# Altium PCB ESE516_PCB.PcbDoc (part 1 of 2) (continued)
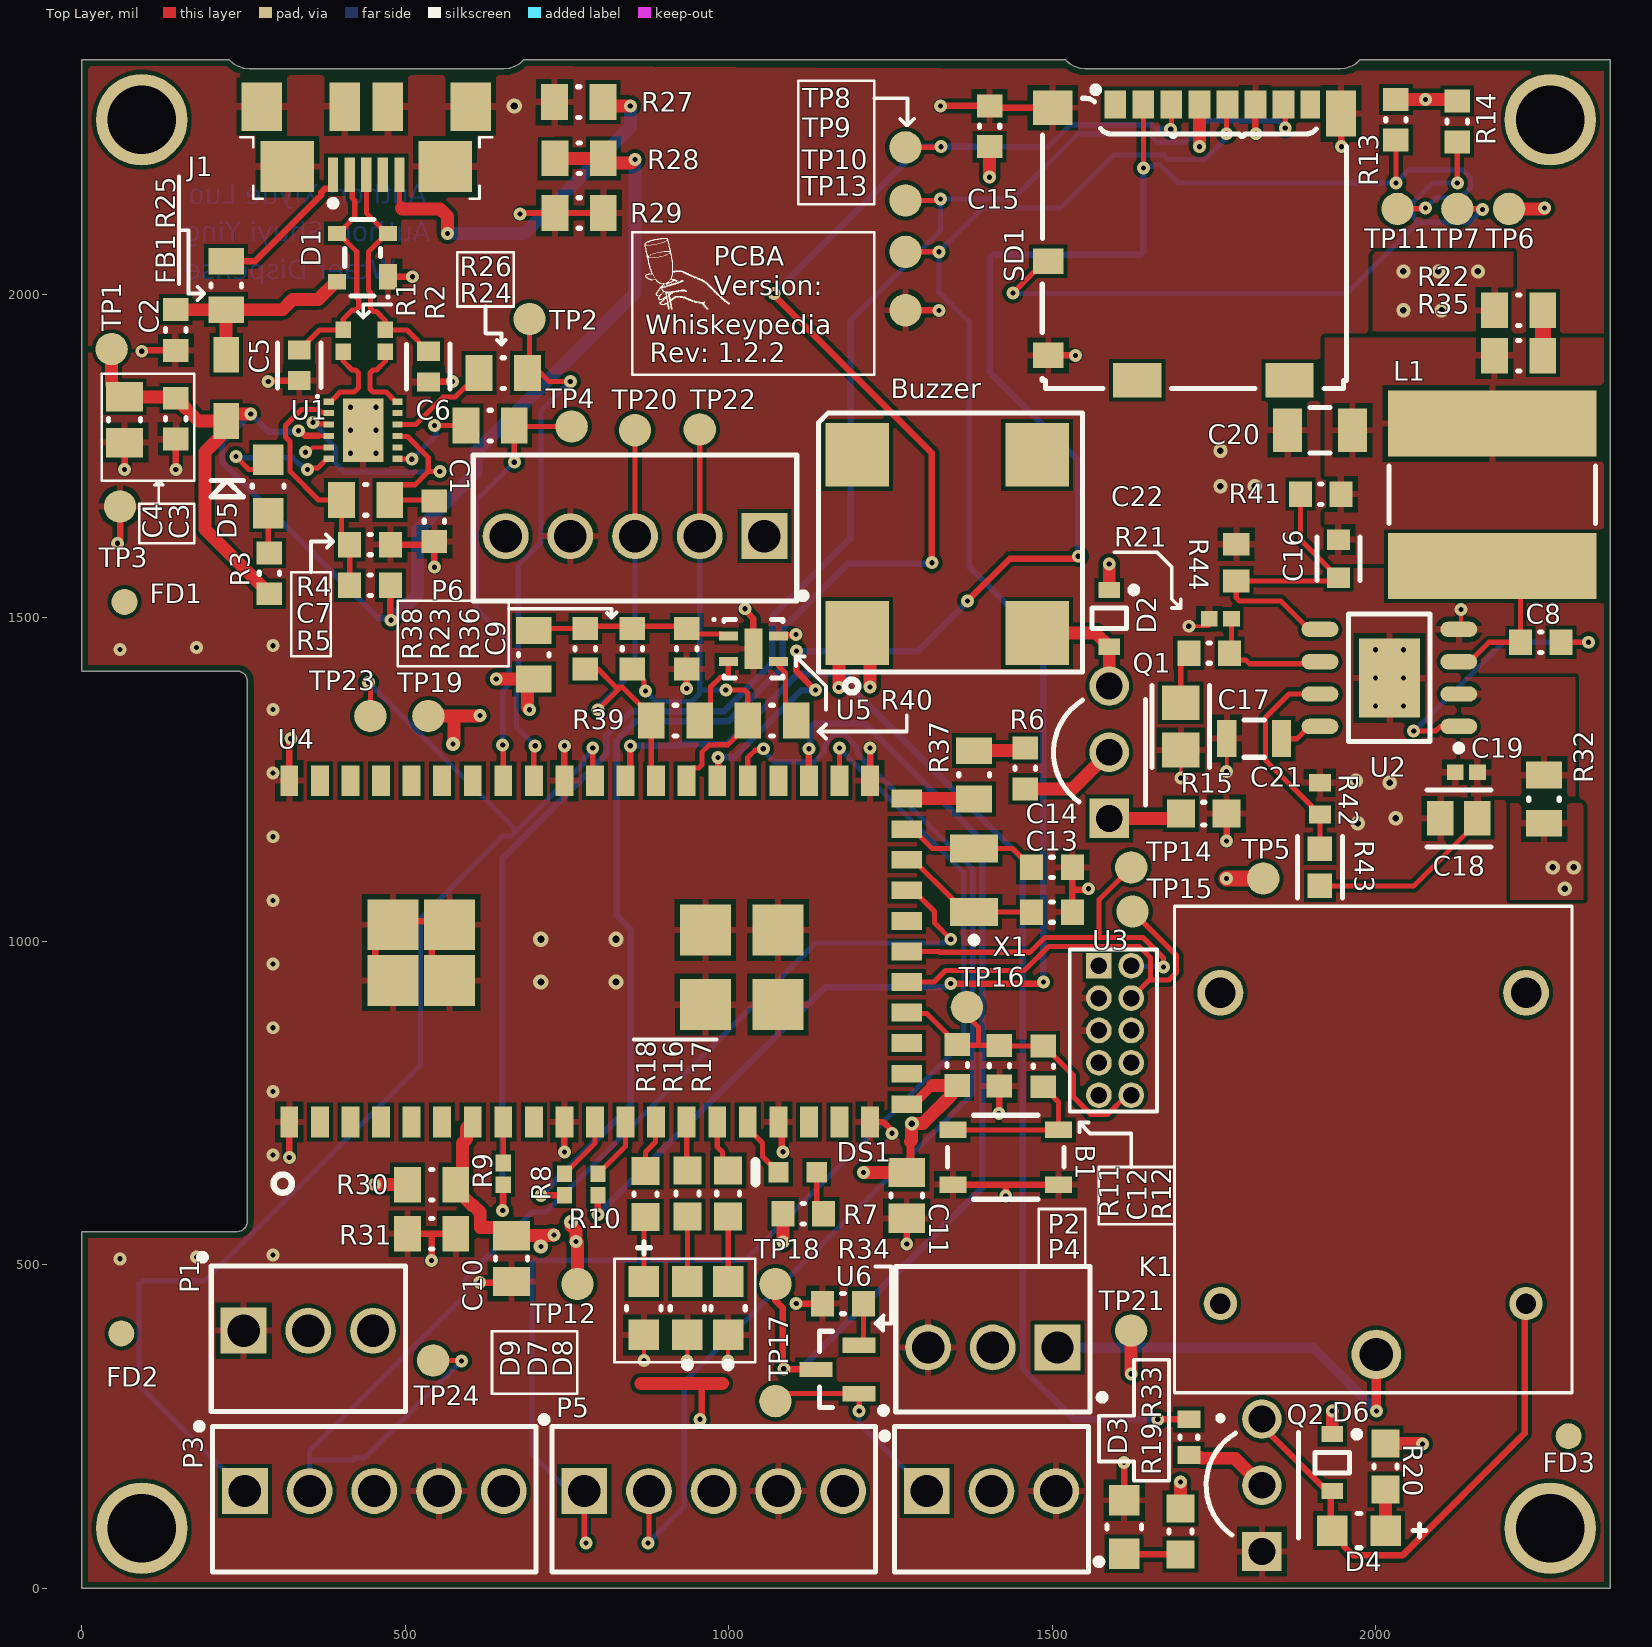
[diagram p0: Top Layer view]
## Components (designator, comment, footprint, x,y, rotation, side; value= is the part's Value field where it differs from the comment)
B1 "PTS810 SJK 250 SMTR LFS" "PTS810 SJK 250 SMTR LFS" 1428,666 r0 top
Buzzer "Buzzer" Buzzer 1337.5,1614 r90 top
C1 "100nF 16V" CAPC0603(1608)100_N 545,1649 r90 top value=100nF
C2 "10nF 16V" CAPC0603(1608)100_N 145,1944.73 r90 top value=10nF
C3 "100nF 16V" CAPC0603(1608)100_N 145.23,1807.63 r90 top value=100nF
C4 "4.7uF 16V" CAPC0805(2012)145_N 66,1806 r90 top value=4.7uF
C5 "47pF" FP-C0603C-CF-MFG 336,1890 r270 top value="47 pF"
C6 "47pF" FP-C0603C-CF-MFG 535.48,1888.18 r270 top value="47 pF"
C7 "100nF 16V" CAPC0603(1608)100_N 445.5,1613 r180 top value=100nF
C8 "100nF 16V" CAPC0603(1608)100_N 2255,1462 r0 top value=100nF
C9 "100nF 16V" CAPC0603(1608)100_N 934.82,1452 r90 top value=100nF
C10 "10uF 16V" CAPC0805(2012)145_N 664,509.43 r90 top value=10uF
C11 "CAP 10uF 16V 0805(2012)" CAPC0805(2012)145_N 1275.02,606.94 r90 top value=10uF
C12 "1uF 16V" CAPC0603(1608)100_N 1418.25,807.54 r90 top value=1uF
C13 "18pF 16V" CAPC0603(1608)100_N 1499.5,1045 r180 top value=18pF
C14 "18pF 16V" CAPC0603(1608)100_N 1499.5,1114 r180 top value=18pF
C15 "CAP 100nF 16V 0603(1608)" CAPC0603(1608)100_N 1403,2259.5 r270 top value=100nF
C16 "390pF" FP-CC0603-DA-MFG 1942.28,1591.17 r270 top value="390 pF"
C17 "18nF" FP-GRM21B-0_1-IPC_A 1698.57,1332 r270 top
C18 "22uF" FP-GRM21B-0_2-e0_2_0_7-IPC_C 2128.28,1189.64 r180 top
C19 "100nF" CAPC1005X55X25NL05T10 2140,1261 r0 top
C20 "47uF" FP-GRM31C-0_2-e0_3_0_8-IPC_C 1913.72,1789.71 r180 top
C21 "5.6nF" FP-CGA4J-IPC_B 1812,1313 r180 top
C22 "1pF" CAPC1005X55X25NL05T10 1759.78,1498.5 r0 top
D1 "PRTR5V0U2X,215" NXP-SOT143B-4_V 433.88,2056.53 r180 top
D2 "BAS16HT1G" ONSC-SOD-323-2-477-02_V 1588,1499 r270 top
D3 "LTST-C170GKT" FP-LTST-C170GKT-MFG 1611,94.52 r270 top
D4 "LTST-C170CKT" FP-LTST-C170CKT-MFG 1974,89 r0 top
D5 "LTST-C170CKT" LTST-C170CKT_V 288,1703 r90 top
D6 "BAS16HT1G" ONSC-SOD-323-2-477-02_V 1932.66,194 r270 top
D7 "LTST-C170GKT" FP-LTST-C170GKT-MFG 936,432.66 r90 top
D8 "LTST-C170GKT" FP-LTST-C170GKT-MFG 998.85,432.66 r90 top
D9 "LTST-C170CKT" FP-LTST-C170CKT-MFG 868.72,432.66 r90 top
DS1 "LTST-C191KGKT" LITE-ON-LTST-C191KRKT-2_V 1106.31,642.67 r180 top
FB1 "BLM21PG221SN1D" MURA-BLM21-B20-CHIP-2_V2 223,1855.26 r270 top
FD1 "40x100mm" Fiducial_FT#1 66,1472.38 r0 top
FD2 "40x100mm" Fiducial_FT#2 61,477 r0 top
FD3 "40x100mm" Fiducial_FT#3 2298,235 r0 top
J1 "ZX62R-B-5P" HIRO-ZX62R-B-5P_V 439.58,2237.34 r180 top
K1 "SRD-12VDC-SL-C" RELAY_SRD-12VDC-SL-C 1996,680 r90 top
L1 "3.3uH" FP-SRN8040-MFG 2180,1690 r90 top
P1 "640456-3" TECO-640456-3 350,398 r180 top
P2 "640456-3" TECO-640456-3 1408,372 r0 top
P3 "640456-5" TECO-640456-5 452,150.1 r180 top
P4 "640456-3" TECO-640456-3 1406,150.1 r180 top
P5 "640456-5" TECO-640456-5 976.56,150.1 r180 top
P6 "640456-5" TECO-640456-5 855,1626 r0 top
Q1 "PN2222ATF" FAIR-TO-92-3 1588,1292 r90 top
Q2 "PN2222ATF" FAIR-TO-92-3 1824,159 r90 top
R1 "27R 1%" RESC1005X40X25NL10T10 404,1928 r270 top
R2 "27R 1%" RESC1005X40X25NL10T10 469,1928 r270 top
R3 "1K 1%" RESC0603(1608)_N 290,1568.5 r270 top value="1000.00 Ohm"
R4 "Jumper" RESC0805(2012)_N 438.6,1682 r180 top value="0.00 Ohm"
R5 "1K 1%" RESC0603(1608)_N 445.5,1550 r180 top value="1000.00 Ohm"
R6 "182R 1% 0603(1608)" RESC0603(1608)_N 1458,1267 r270 top value="182.00 Ohm"
R7 "1K 1%" RESC0603(1608)_N 1115.09,578.5 r0 top value="1000.00 Ohm"
R8 "27R 1%" RESC1005X40X25NL10T10 745.85,623.68 r270 top
R9 "27R 1%" RESC1005X40X25NL10T10 651.36,640.41 r270 top
R10 "27R 1%" RESC1005X40X25NL10T10 797.68,623.68 r270 top
R11 "10K 1%" RESC0603(1608)_N 1353.25,808.5 r270 top value="10000.00 Ohm"
R12 "100R 1%" RESC0603(1608)_N 1486.25,806.5 r90 top value="100.00 Ohm"
R13 "10K 1% 0603(1608)" RESC0603(1608)_N 2031.19,2269.69 r90 top value="10000.00 Ohm"
R14 "10K 1% 0603(1608)" RESC0603(1608)_N 2126,2267 r90 top value="10000.00 Ohm"
R15 "47R 1% 0603(1608)" RESC0603(1608)_M 1734,1197 r180 top value="47.00 Ohm"
R16 "280R 1% 0603(1608)" RESC0603(1608)_M 936,610 r270 top value="280.00 Ohm"
R17 "280R 1% 0603(1608)" RESC0603(1608)_M 999,610 r270 top value="280.00 Ohm"
R18 "280R 1% 0603(1608)" RESC0603(1608)_M 871,609 r270 top value="280.00 Ohm"
R19 "620R 5% 0603(1608)" RESC0603(1608)_M 1698,87.52 r90 top value="620.00 Ohm"
R20 "620R 5% 0603(1608)" RESC0603(1608)_M 2015,188 r90 top value="620.00 Ohm"
R21 "10K 1%" RESC0603(1608)_N 1742.46,1445.28 r0 top value="10000.00 Ohm"
R22 "Jumper" RESC0805(2012)_N 2220.82,1975.21 r180 top value="0.00 Ohm"
R23 "10K 1%" RESC0603(1608)_N 778,1452 r90 top value="10000.00 Ohm"
R24 "Jumper" RESC0805(2012)_N 631,1797 r0 top value="0.00 Ohm"
R25 "Jumper" RESC0805(2012)_N 223,2013.4 r270 top value="0.00 Ohm"
R26 "Jumper" RESC0805(2012)_N 651.36,1878.1 r0 top value="0.00 Ohm"
R27 "Jumper" RESC0805(2012)_N 768,2297 r180 top value="0.00 Ohm"
R28 "Jumper" RESC0805(2012)_N 768.6,2210 r180 top value="0.00 Ohm"
R29 "Jumper" RESC0805(2012)_N 768.6,2125.5 r180 top value="0.00 Ohm"
R30 "Jumper" RESC0805(2012)_N 540.57,623.68 r0 top value="0.00 Ohm"
R31 "Jumper" RESC0805(2012)_N 540.57,548 r0 top value="0.00 Ohm"
R32 "Jumper" RESC0805(2012)_N 2260,1219.6 r90 top value="0.00 Ohm"
R33 "1K1 5% 0603(1608)" RESC0603(1608)_L 1711,233.36 r270 top value="1100.00 Ohm"
R34 "3K3 5% 0603(1608)" RESC0603(1608)_N 1176.56,439.84 r0 top value="3300.00 Ohm"
R35 "Jumper" RESC0805(2012)_N 2220.82,1905 r0 top value="0.00 Ohm"
R36 "10K 1%" RESC0603(1608)_N 851,1452 r90 top value="10000.00 Ohm"
R37 "Jumper" RESC0805(2012)_N 1379,1257 r90 top value="0.00 Ohm"
R38 "Jumper" RESC0805(2012)_N 698.6,1442.8 r270 top value="0.00 Ohm"
R39 "Jumper" RESC0805(2012)_N 917.6,1341 r180 top value="0.00 Ohm"
R40 "Jumper" RESC0805(2012)_N 1066.71,1341 r180 top value="0.00 Ohm"
R41 "10K 1%" RESC0603(1608)_N 1915,1691 r0 top value="10000.00 Ohm"
R42 "18.7kohm" RESC1608X55X30LL15T15 1913.72,1220.31 r270 top
R43 "51.5kohm" FP-CRCW0603-HPe3-IPC_B 1913.72,1114 r270 top
R44 "3.24kohm" RESC1608X55X30ML15T15 1784.42,1585 r270 top
SD1 "104031-0811" MOLX-104031-0811_V 1720,2080 r180 top locked
TP1 "0.1\" Pad" PCBComponent#1 46,1915 r90 top
TP2 "0.1\" Pad" PCBComponent#1 692,1961.5 r90 top
TP3 "0.1\" Pad" PCBComponent#1 59,1672 r90 top
TP4 "0.1\" Pad" PCBComponent#1 757,1795.41 r90 top
TP5 "0.1\" Pad" PCBComponent#1 1826,1097 r90 top
TP6 "0.1\" Pad" PCBComponent#1 2206,2132 r90 top
TP7 "0.1\" Pad" PCBComponent#1 2126,2132 r90 top
TP8 "0.1\" Pad" PCBComponent#1 1273,2227 r90 top
TP9 "0.1\" Pad" PCBComponent#1 1273,2145 r90 top
TP10 "0.1\" Pad" PCBComponent#1 1273,2065.53 r90 top
TP11 "0.1\" Pad" PCBComponent#1 2033.48,2132 r90 top
TP12 "0.1\" Pad" PCBComponent#1 766,470 r90 top
TP13 "0.1\" Pad" PCBComponent#1 1273,1975.21 r90 top
TP14 "0.1\" Pad" PCBComponent#1 1622,1114 r90 top
TP15 "0.1\" Pad" PCBComponent#1 1624,1045.77 r90 top
TP16 "0.1\" Pad" PCBComponent#2 1363.25,889.61 r90 top
TP17 "0.1\" Pad" PCBComponent#1 1072,289 r90 top
TP18 "0.1\" Pad" PCBComponent#1 1072,470 r90 top
TP19 "0.1\" Pad" PCBComponent#1 535.48,1347.89 r90 top
TP20 "0.1\" Pad" PCBComponent#1 855,1789.71 r90 top
TP21 "0.1\" Pad" PCBComponent#1 1621.91,397.99 r90 top
TP22 "0.1\" Pad" PCBComponent#1 955,1791 r90 top
TP23 "0.1\" Pad" PCBComponent#1 445.91,1347.89 r90 top
TP24 "0.1\" Pad" PCBComponent#1 543,352 r90 top
U1 "FT234XD-R" DFN-12_V 434.85,1789.71 r0 top
U2 "Voltage Regulator" TPS5432DDAR 2021,1407 r180 top
U3 "20021111-00010T4LF" 20021111-00010T4LF 1622,862 r270 top
U4 "SAMW25H18-MR510PB" SAMW25H18-MR510PB 797.83,984.25 r180 top locked
U5 "I2C Temperature Sensor" SHTC3 1038,1452 r0 top
U6 "MAX5491LA01000-T" MAXM-U3-2_L 1168,338 r180 top
X1 "ABS07-32.768KHz-T" ABRA-ABS07-2_V 1379,1094.21 r90 top

## Footprints (in the part's own frame and the unit in brackets; to place one, negate y for a bottom-side part, rotate by r counter-clockwise, add the part's x,y. Pads: shape width x height; smd on the part's side, far side on the other; paste and mask are expansions set on the pad)
20021111-00010T4LF [mil] "CONN HEADER 10POS UNSHD VERT T/H"
  rect 39.6x39.6 hole 25.6: 1(-100,-50)
  round 39.6 hole 25.6: 2(-100,0) 3(-50,-50) 4(-50,0) 5(0,-50) 6(0,0) 7(50,-50) 8(50,0) 9(100,-50) 10(100,0)
  silkscreen extent -125,-95 125,40, body extent -125,-92 125,42, height 217
ABRA-ABS07-2_V [mm] "Hand Drawn, 2-Leads, Body 3.2x1.5mm, Pitch 2.5mm"
  rect 1.1x1.9 smd: 1(-1.25,0) 2(1.25,0)
  silkscreen extent -2.47,-0.13 -2.23,0.12, body extent -1.6,-0.75 1.6,0.75, height 0.9
Buzzer [mm]
  rect 2.5x2.5 smd: 1(-3.5,3.532) 2(-3.5,-3.532) 3(3.5,3.532) 4(3.5,-3.532)
  silkscreen extent -5.83,-5.31 5.15,5.05, body extent -4.28,-4.28 4.25,4.25, height 4.01
CAPC0603(1608)100_N [mm] "Chip Capacitor, Body 1.6x0.8mm, Height 1.0mm, IPC Medium Density"
  rect 0.9x1 smd: 1(-0.8,0) 2(0.8,0)
  silkscreen extent -0.05,-0.4 0.05,0.4, body extent -0.87,-0.48 0.88,0.47, height 1
CAPC0805(2012)145_N [mm] "Chip Capacitor, Body 2.0x1.2mm, Height 1.45mm, IPC Medium Density"
  rect 1.15x1.45 smd: 1(-0.9,0) 2(0.9,0)
  silkscreen extent -0.05,-0.62 0.05,0.63, body extent -1.1,-0.72 1.1,0.73, height 1.45
CAPC1005X55X25NL05T10 [mm] "Chip Capacitor, 2-Leads, Body 1.00x0.50mm, IPC Medium Density"
  rect 0.66x0.62 smd: 1(-0.44,0) 2(0.44,0)
  body extent -0.53,-0.28 0.53,0.27, height 0.55
DFN-12_V [mm] "SON, 12-Leads, Body 3x3mm, Pitch 0.45mm, Thermal Pad 2.5x1.6mm"
  rect 0.4x0.25 smd: 1(-1.35,1.125) 2(-1.35,0.675) 3(-1.35,0.225) 4(-1.35,-0.225) 5(-1.35,-0.675) 6(-1.35,-1.125) 7(1.35,-1.125) 8(1.35,-0.675) 9(1.35,-0.225) 10(1.35,0.225) 11(1.35,0.675) 12(1.35,1.125)
  rect 1.6x2.5 smd mask+0.102: 13(0,0)
  silkscreen extent -1.85,1.28 -1.75,1.38, body extent -1.5,-1.5 1.5,1.5, height 0.9
FAIR-TO-92-3 [mm] "TO, 3-Leads, Body Dia 4.79mm, Pitch 2.6mm"
  rect 1.55x1.55 hole 1.05: 1(-2.6,0)
  round 1.55 hole 1.05: 2(0,0) 3(2.6,0)
  silkscreen extent -2.07,-1.43 2.07,2.19, body extent -2.4,-1.47 2.4,2.2, height 8.49
Fiducial_FT#1 [mil]
  round 40 smd paste-30 mask+30: ""(0,51.94)
Fiducial_FT#2 [mil]
  round 40 smd paste-30 mask+30: ""(0,-83.3)
Fiducial_FT#3 [mil]
  round 40 smd paste-30 mask+30: ""(0,0)
FP-C0603C-CF-MFG [mm]
  rect 0.75x0.9 smd paste+0 mask+0: 1(-0.6,0) 2(0.6,0)
  silkscreen extent -0.87,-0.85 0.88,0.85, body extent -1.2,-0.6 1.2,0.6, height 0.25
FP-CC0603-DA-MFG [mm]
  rect 0.8x0.9 smd paste+0 mask+0: 1(-0.75,0) 2(0.75,0)
  silkscreen extent -0.85,-0.85 0.85,0.85, body extent -1.35,-0.75 1.35,0.75, height 0.25
FP-CGA4J-IPC_B [mm]
  rect 0.756x1.456 smd paste+0 mask+0: 1(-1.075,0) 2(1.075,0)
  silkscreen extent -0.4,-0.73 0.4,0.73, body extent -1.7,-0.98 1.7,0.98, height 0.25
FP-CRCW0603-HPe3-IPC_B [mil]
  rect 37.72x37.88 smd paste+0 mask+0: 1(-28.62,0) 2(28.62,0)
  silkscreen extent -47,-35 47,35, body extent -57,-29 57,29, height 10
FP-GRM21B-0_1-IPC_A [mil]
  rect 53.46x57.56 smd paste+0 mask+0: 1(-36.5,0) 2(36.5,0)
  silkscreen extent -63,-45 63,45, body extent -83,-48 83,48, height 10
FP-GRM21B-0_2-e0_2_0_7-IPC_C [mil]
  rect 41.52x53.39 smd paste+0 mask+0: 1(-28.57,0) 2(28.57,0)
  silkscreen extent -49,-44 49,44, body extent -53,-32 53,32, height 10
FP-GRM31C-0_2-e0_3_0_8-IPC_C [mil]
  rect 45.46x67.17 smd paste+0 mask+0: 1(-50.23,0) 2(50.23,0)
  silkscreen extent -16,-35 16,35, body extent -77,-39 77,39, height 10
FP-LTST-C170CKT-MFG [mm]
  rect 1.2x1.2 smd paste+0 mask+0: 1(-1.05,0) 2(1.05,0)
  silkscreen extent -0.08,-0.67 2.63,0.67, body extent -1.75,-0.77 1.75,0.77, height 0.25
FP-LTST-C170GKT-MFG [mm]
  rect 1.2x1.2 smd paste+0 mask+0: 1(-1.05,0) 2(1.05,0)
  silkscreen extent -0.08,-1.12 1.49,0.67, body extent -1.75,-0.77 1.75,0.77, height 0.25
FP-SRN8040-MFG [mm]
  rect 2.6x8.2 smd paste+0 mask+0: 1(-2.8,0) 2(2.8,0)
  silkscreen extent -1.12,-4.05 1.12,4.05, body extent -4.28,-4.2 4.28,4.2, height 0.25
HIRO-ZX62R-B-5P_V [mm] "USB Micro-B R/A Connector"
  rect 0.4x1.35 smd: 1(1.3,1.338) 2(0.65,1.338) 3(0,1.338) 4(-0.65,1.338) 5(-1.3,1.338)
  rect 2.1x2 smd: 6(-3.1,1.012) 11(3.1,1.012)
  rect 1.6x1.9 smd: 7(-4.1,-1.338) 10(4.1,-1.338)
  rect 1.2x1.9 smd: 8(-0.85,-1.338) 9(0.85,-1.338)
  silkscreen extent -4.95,-0.13 4.95,2.58, body extent -4.4,-3.95 4.4,1.78, height 2.71
LITE-ON-LTST-C191KRKT-2_V [mm] "Chip, 2-Leads, Body 1.6x0.8mm"
  rect 0.8x0.8 smd: 1(-0.75,0) 2(0.75,0)
  silkscreen extent 1.65,-0.4 1.65,0.4, body extent -0.8,-0.4 0.8,0.4, height 0.55
LTST-C170CKT_V [mm] "SMD, 2-Leads, Body 2x1.25mm"
  rect 1.2x1.2 smd: 1(-1.05,0) 2(1.05,0)
  silkscreen extent -0.41,-0.63 0.23,2.25, body extent -1,-0.63 1,0.63, height 1.1
MAXM-U3-2_L [mm] "SOT23, 3-Leads, Body 2.92x1.3mm, Pitch 0.95mm, IPC High Density"
  rect 1.3x0.6 smd: 1(-0.85,0.95) 2(-0.85,-0.95) 3(0.85,0)
  silkscreen extent -1.93,-1.5 0.7,1.73, body extent -0.7,-1.52 0.7,1.52, height 1.12
MOLX-104031-0811_V [mm] "Micro SD, 8-Leads, Body 11.95x11.4mm, Pitch 1.1mm"
  rect 0.85x1.1 smd: 1(3.113,-5.412) 2(2.013,-5.412) 3(0.913,-5.412) 4(-0.188,-5.412) 5(-1.288,-5.412) 6(-2.387,-5.412) 7(-3.487,-5.412)
  rect 0.75x1.1 smd: 8(-4.537,-5.412)
  rect 1.2x1 smd: 9(5.748,0.738) 10(5.748,4.438)
  rect 1.55x1.35 smd: 11(5.573,-5.287)
  rect 1.17x1.8 smd: 12(-5.747,-5.062)
  rect 1.9x1.35 smd: 13(-3.722,5.413) 14(2.248,5.413)
  silkscreen extent -5.97,-6.12 5.98,5.74, body extent -5.97,-5.66 5.98,5.74, height 1.45
MURA-BLM21-B20-CHIP-2_V2 [mm] "Chip Ferrite Bead, 2-Leads, Body 2x1.25mm, Height 1.05mm, 35/70um Land Pad Thickness, 2A Rated Current"
  rect 1.4x1 smd: 1(-1.3,0) 2(1.3,0)
  body extent -1,-0.63 1,0.63, height 1.05
NXP-SOT143B-4_V [mm] "SOT143, 4-Leads, Body 3x1.4mm"
  rect 0.7x1 smd: 1(-1,0.75)
  rect 0.7x0.6 smd: 2(-1,-0.95) 3(1,-0.95) 4(1,0.95)
  silkscreen extent -1.05,-1.5 0.7,1.6, body extent -0.7,-1.5 0.7,1.5, height 1.1
ONSC-SOD-323-2-477-02_V [mm] "SOD, 2-Leads, Body 1.7x1.25mm"
  rect 0.63x0.83 smd: 1(-1.115,0) 2(1.115,0)
  silkscreen extent -1.24,-0.67 0.4,1.09, body extent -0.85,-0.63 0.85,0.63, height 1.06
PCBComponent#1 [mil]
  round 50 smd mask+0: 1(0,0)
  body extent -25,-25 25,25, height 0
PCBComponent#2 [mil]
  round 50 smd mask+0: 1(8.39,-4.75)
  body extent -25,-25 25,25, height 0
"PTS810 SJK 250 SMTR LFS" [mm] "SWITCH TACTILE SPST-NO 0.05A 16V"
  rect 1.05x0.65 smd: 1(-2.075,1.075) 2(2.075,1.075) 3(-2.075,-1.075) 4(2.075,-1.075)
  silkscreen extent -2.29,-1.65 2.29,1.65, body extent -2.3,-1.6 2.3,1.6, height 2.5
RELAY_SRD-12VDC-SL-C [mm]
  round 1.308 hole 0.8: COIL1(-6.1,6) COIL2(-6.1,-6)
  round 1.95 hole 1.3: COM(-8.1,-0.12)
  round 1.8 hole 1.2: NC(6.1,6) NO(6.1,-6)
  silkscreen extent -10.7,-7.8 9.5,7.8, body extent -9.6,-7.8 9.6,7.8, height 15.81
RESC0603(1608)_L [mm] "Chip Resistor, Body 1.6x0.8mm, IPC High Density"
  rect 0.7x0.9 smd: 1(-0.7,0) 2(0.7,0)
  silkscreen extent -0.05,-0.35 0.05,0.35, body extent -0.85,-0.47 0.85,0.47, height 0.6
RESC0603(1608)_M [mm] "Chip Resistor, Body 1.6x0.8mm, IPC Low Density"
  rect 1.1x1.1 smd: 1(-0.9,0) 2(0.9,0)
  silkscreen extent -0.05,-0.45 0.05,0.45, body extent -0.85,-0.47 0.85,0.47, height 0.6
RESC0603(1608)_N [mm] "Chip Resistor, Body 1.6x0.8mm, IPC Medium Density"
  rect 0.9x1 smd: 1(-0.8,0) 2(0.8,0)
  silkscreen extent -0.05,-0.4 0.05,0.4, body extent -0.85,-0.47 0.85,0.47, height 0.6
RESC0805(2012)_N [mm] "Chip Resistor, Body 2.0x1.3mm, IPC Medium Density"
  rect 1.05x1.4 smd: 1(-0.95,0) 2(0.95,0)
  silkscreen extent -0.05,-0.6 0.05,0.6, body extent -1.1,-0.67 1.1,0.68, height 0.7
RESC1005X40X25NL10T10 [mm] "Chip Resistor, 2-Leads, Body 1.00x0.50mm, IPC Medium Density"
  rect 0.65x0.6 smd: 1(-0.425,0) 2(0.425,0)
  body extent -0.55,-0.3 0.55,0.3, height 0.4
RESC1608X55X30LL15T15 [mm] "Chip Resistor, 2-Leads, Body 1.60x0.80mm, IPC High Density"
  rect 0.7x0.85 smd: 1(-0.625,0) 2(0.625,0)
  body extent -0.87,-0.48 0.87,0.48, height 0.55
RESC1608X55X30ML15T15 [mm] "Chip Resistor, 2-Leads, Body 1.60x0.80mm, IPC Low Density"
  rect 0.9x1.05 smd: 1(-0.725,0) 2(0.725,0)
  body extent -0.87,-0.48 0.87,0.48, height 0.55
SAMW25H18-MR510PB [mm] "RF TXRX MODULE WIFI TRACE ANT"
  rect 2x2 smd: 0(-7.065,-0.839) 0(-7.065,2.085) 0(-4.21,-0.839) 0(-4.21,2.085)
  rect 2x2 smd mask+0.127: 0(5.828,-1.045) 0(5.828,1.137) 0(8.046,-1.045) 0(8.046,1.137)
  rect 0.7x1.2 smd: 1(12.121,6.7) 2(10.921,6.7) 3(9.721,6.7) 4(8.521,6.7) 5(7.321,6.7) 6(6.121,6.7) 7(4.921,6.7) 8(3.721,6.7) 9(2.521,6.7) 10(1.321,6.7) 11(0.121,6.7) 12(-1.079,6.7) 13(-2.279,6.7) 14(-3.479,6.7) 15(-4.679,6.7) 16(-5.879,6.7) 17(-7.079,6.7) 18(-8.279,6.7) 19(-9.479,6.7) 20(-10.679,6.7) 32(-10.679,-6.7) 33(-9.479,-6.7) 34(-8.279,-6.7) 35(-7.079,-6.7) 36(-5.879,-6.7) 37(-4.679,-6.7) 38(-3.479,-6.7) 39(-2.279,-6.7) 40(-1.079,-6.7) 41(0.121,-6.7) 42(1.321,-6.7) 43(2.521,-6.7) 44(3.721,-6.7) 45(4.921,-6.7) 46(6.121,-6.7) 47(7.321,-6.7) 48(8.521,-6.7) 49(9.721,-6.7) 50(10.921,-6.7) 51(12.121,-6.7)
  rect 1.2x0.7 smd: 21(-12.12,6.004) 22(-12.12,4.804) 23(-12.12,3.604) 24(-12.12,2.404) 25(-12.12,1.204) 26(-12.12,0.004) 27(-12.12,-1.196) 28(-12.12,-2.396) 29(-12.12,-3.596) 30(-12.12,-4.796) 31(-12.12,-5.996)
  silkscreen extent 12.02,8.76 12.74,9.48, body extent -12.89,-7.45 20.98,7.46, height 3.37
SHTC3 [mm] "Temprature Sensor"
  rect 0.75x0.35 smd: 1(-0.985,0.5) 2(-0.985,-0.5) 3(0.985,-0.5) 4(0.985,0.5)
  rect 0.7x1.6 smd: 5(0,0)
  silkscreen extent -1.6,-1.15 1.15,1.2, body extent -1,-1 1,1, height 0.76
TECO-640456-3 [mm] "Through Hole, 3-Leads, Body 7.62x5.72mm, Pitch 2.54mm"
  rect 1.8x1.8 hole 1.27 paste+0: 1(2.54,0)
  round 1.8 hole 1.27 paste+0: 2(0,0) 3(-2.54,0)
  silkscreen extent -3.81,-3.01 4.28,3.18, body extent -3.81,-2.54 3.81,3.18, height 10.03
TECO-640456-5 [mm] "Through Hole, 5-Leads, Body 12.7x5.72mm, Pitch 2.54mm"
  rect 1.8x1.8 hole 1.27 paste+0: 1(5.08,0)
  round 1.8 hole 1.27 paste+0: 2(2.54,0) 3(0,0) 4(-2.54,0) 5(-5.08,0)
  silkscreen extent -6.35,-2.67 7,3.18, body extent -6.35,-2.67 6.35,3.18, height 10.29
TPS5432DDAR [mm] "SOIC, 8-Leads, Body 4.90x3.90mm, Pitch 1.27mm, Thermal Pad 3.10x2.40mm, IPC Medium Density"
  oval 1.45x0.6 smd: 1(-2.725,1.905) 2(-2.725,0.635) 3(-2.725,-0.635) 4(-2.725,-1.905) 5(2.725,-1.905) 6(2.725,-0.635) 7(2.725,0.635) 8(2.725,1.905)
  rect 2.4x3.1 smd: 9(0,0)
  silkscreen extent -2.85,-2.5 1.6,2.88, body extent -3,-2.45 3,2.45, height 1.57

## Part data
B1: "SWITCH TACTILE SPST-NO 0.05A 16V Tactile Switch SPST-NO Top Actuated Surface Mount", Color=White, Current Rating="50 mA", Manufacturer="ITT /  C&K Components", Manufacturer Part Number=PTS810SJK250SMTRLFS, Operating Force="2.6 N", Operating Temperature Range="- 40 C to + 85 C", Supplier Part Number 1=CKN10503CT-ND, Voltage Rating DC="16 VDC", Actuator=Oval, Brand="C&K Components", ComponentLink1Description=https://datasheet.ciiva.com/18514/pts810-4mar13-18514061.pdf, ComponentLink1URL=https://datasheet.ciiva.com/18514/pts810-4mar13-18514061.pdf, ComponentLink2Description=https://datasheet.ciiva.com/18514/pts810-4mar13-18514062.pdf, ComponentLink2URL=https://datasheet.ciiva.com/18514/pts810-4mar13-18514062.pdf, ComponentLink3Description=https://datasheet.ciiva.com/18514/pts810-4mar13-18514063.pdf, ComponentLink3URL=https://datasheet.ciiva.com/18514/pts810-4mar13-18514063.pdf, Contact Form=SPST, Contact Plating=Silver, Factory Pack Quantity=2900, Mounting Direction=Straight, Mounting Style=SMD/SMT, Packaging=Reel, Part # Aliases=Y97LT25B5DBFP, Product Category="Tactile Switches", RoHS=Details, Series=PTS810, Stem Height="2.5 mm", Supplier 1=Digi-Key, Switch Function="OFF - (ON)", Termination Style="J Form Lead", Travel="0.15 mm"
Buzzer: "8.5 mm, 5 Vo-p, 100 dB, Surface Mount (SMT), Magnetic Audio Transducer Buzzer", Manufacturer="CUI Devices", Manufacturer Part Number=CMT-8504-100-SMT-TR, Supplier Part Number 1=102-CMT-8504-100-SMT-CT-ND, Category=Buzzers, Pricing 1="1=1.57000, 10=1.30300, 25=1.20440, 50=1.13300, 100=1.06420, 500=0.91430 (USD)", RoHS=No, Stock 1=90590, Supplier 1=Digi-Key
C1 C3 C7 C8 C9 C15: library part CMP-1035-02584-1, "CAP 100nF 16V ±10% 0603 (1608 Metric) Thickness 1mm SMD", Case-EIA=0603, Case-Metric=1608, Rated Voltage="16 V", Tolerance=Â±10%, Max Thickness="1 mm", Technology=SMT
C2: library part CMP-1035-02311-1, "CAP 10nF 16V ±10% 0603 (1608 Metric) Thickness 1mm SMD", Case-EIA=0603, Case-Metric=1608, Rated Voltage="16 V", Tolerance=Â±10%, Max Thickness="1 mm", Technology=SMT
C4: library part CMP-1036-04893-1, "CAP 4.7uF 16V -20% to +80% 0805 (2012 Metric) Thickness 1.45mm SMD", Case-EIA=0805, Case-Metric=2012, Rated Voltage="16 V", Tolerance="-20% to +80%", Max Thickness="1.45 mm", Technology=SMT
C5 C6: library part CMP-03020-020014-1, "CAP CER 47PF 16V NP0 0603", Capacitance="47 pF", Manufacturer=KEMET, Manufacturer Part Number=C0603C470J4GAC7867, Package=C0603C-CF, Temperature="-55°C to +125°C", Temperature Characteristic=C0G, Temperature Coefficient=30ppm/°C, Temperature Range High=+125°C, Temperature Range Low=-55°C, Tolerance=0.05, Voltage Rating="16 V", Automotive=Yes, Automotive Grade="Grade 1", Category=Cap, ComponentLink2Description=Datasheet, ComponentLink2URL=https://api.kemet.com/component-edge/download/datasheet/C0603C100J5GACAUTO.pdf, Device Class L1="Passive Components", Device Class L2=Capacitors, Device Class L3="Ceramic Capacitors", Digikey Description="CAP CER 47PF 16V NP0 0603", Height=0.87mm, Lead Free=Yes, Material=Ceramic, Octopart=https://octopart.com/c0603c470j4gac7867-kemet-2107619, RoHS=TRUE
C10 C11: library part CMP-1036-04927-1, "CAP 10uF 16V ±10% 0805 (2012 Metric) Thickness 1.45mm SMD", Case-EIA=0805, Case-Metric=2012, Rated Voltage="16 V", Tolerance=Â±10%, Max Thickness="1.45 mm", Technology=SMT